# Altium PCB xialeste.PcbDoc (part 7 of 10)
Units mm, origin at the board's own origin, x right, y up, seen from the top; angles counter-clockwise.
Board outline 203.2 x 171.45 mm, 6 copper layers (L1, L2, L3, L4 (PWR), L5, L6), stack 1.542 mm thick; 748 components, 618 nets, 3334 pads, 1535 vias.
Unrouted connection lines stored in the file: 160.
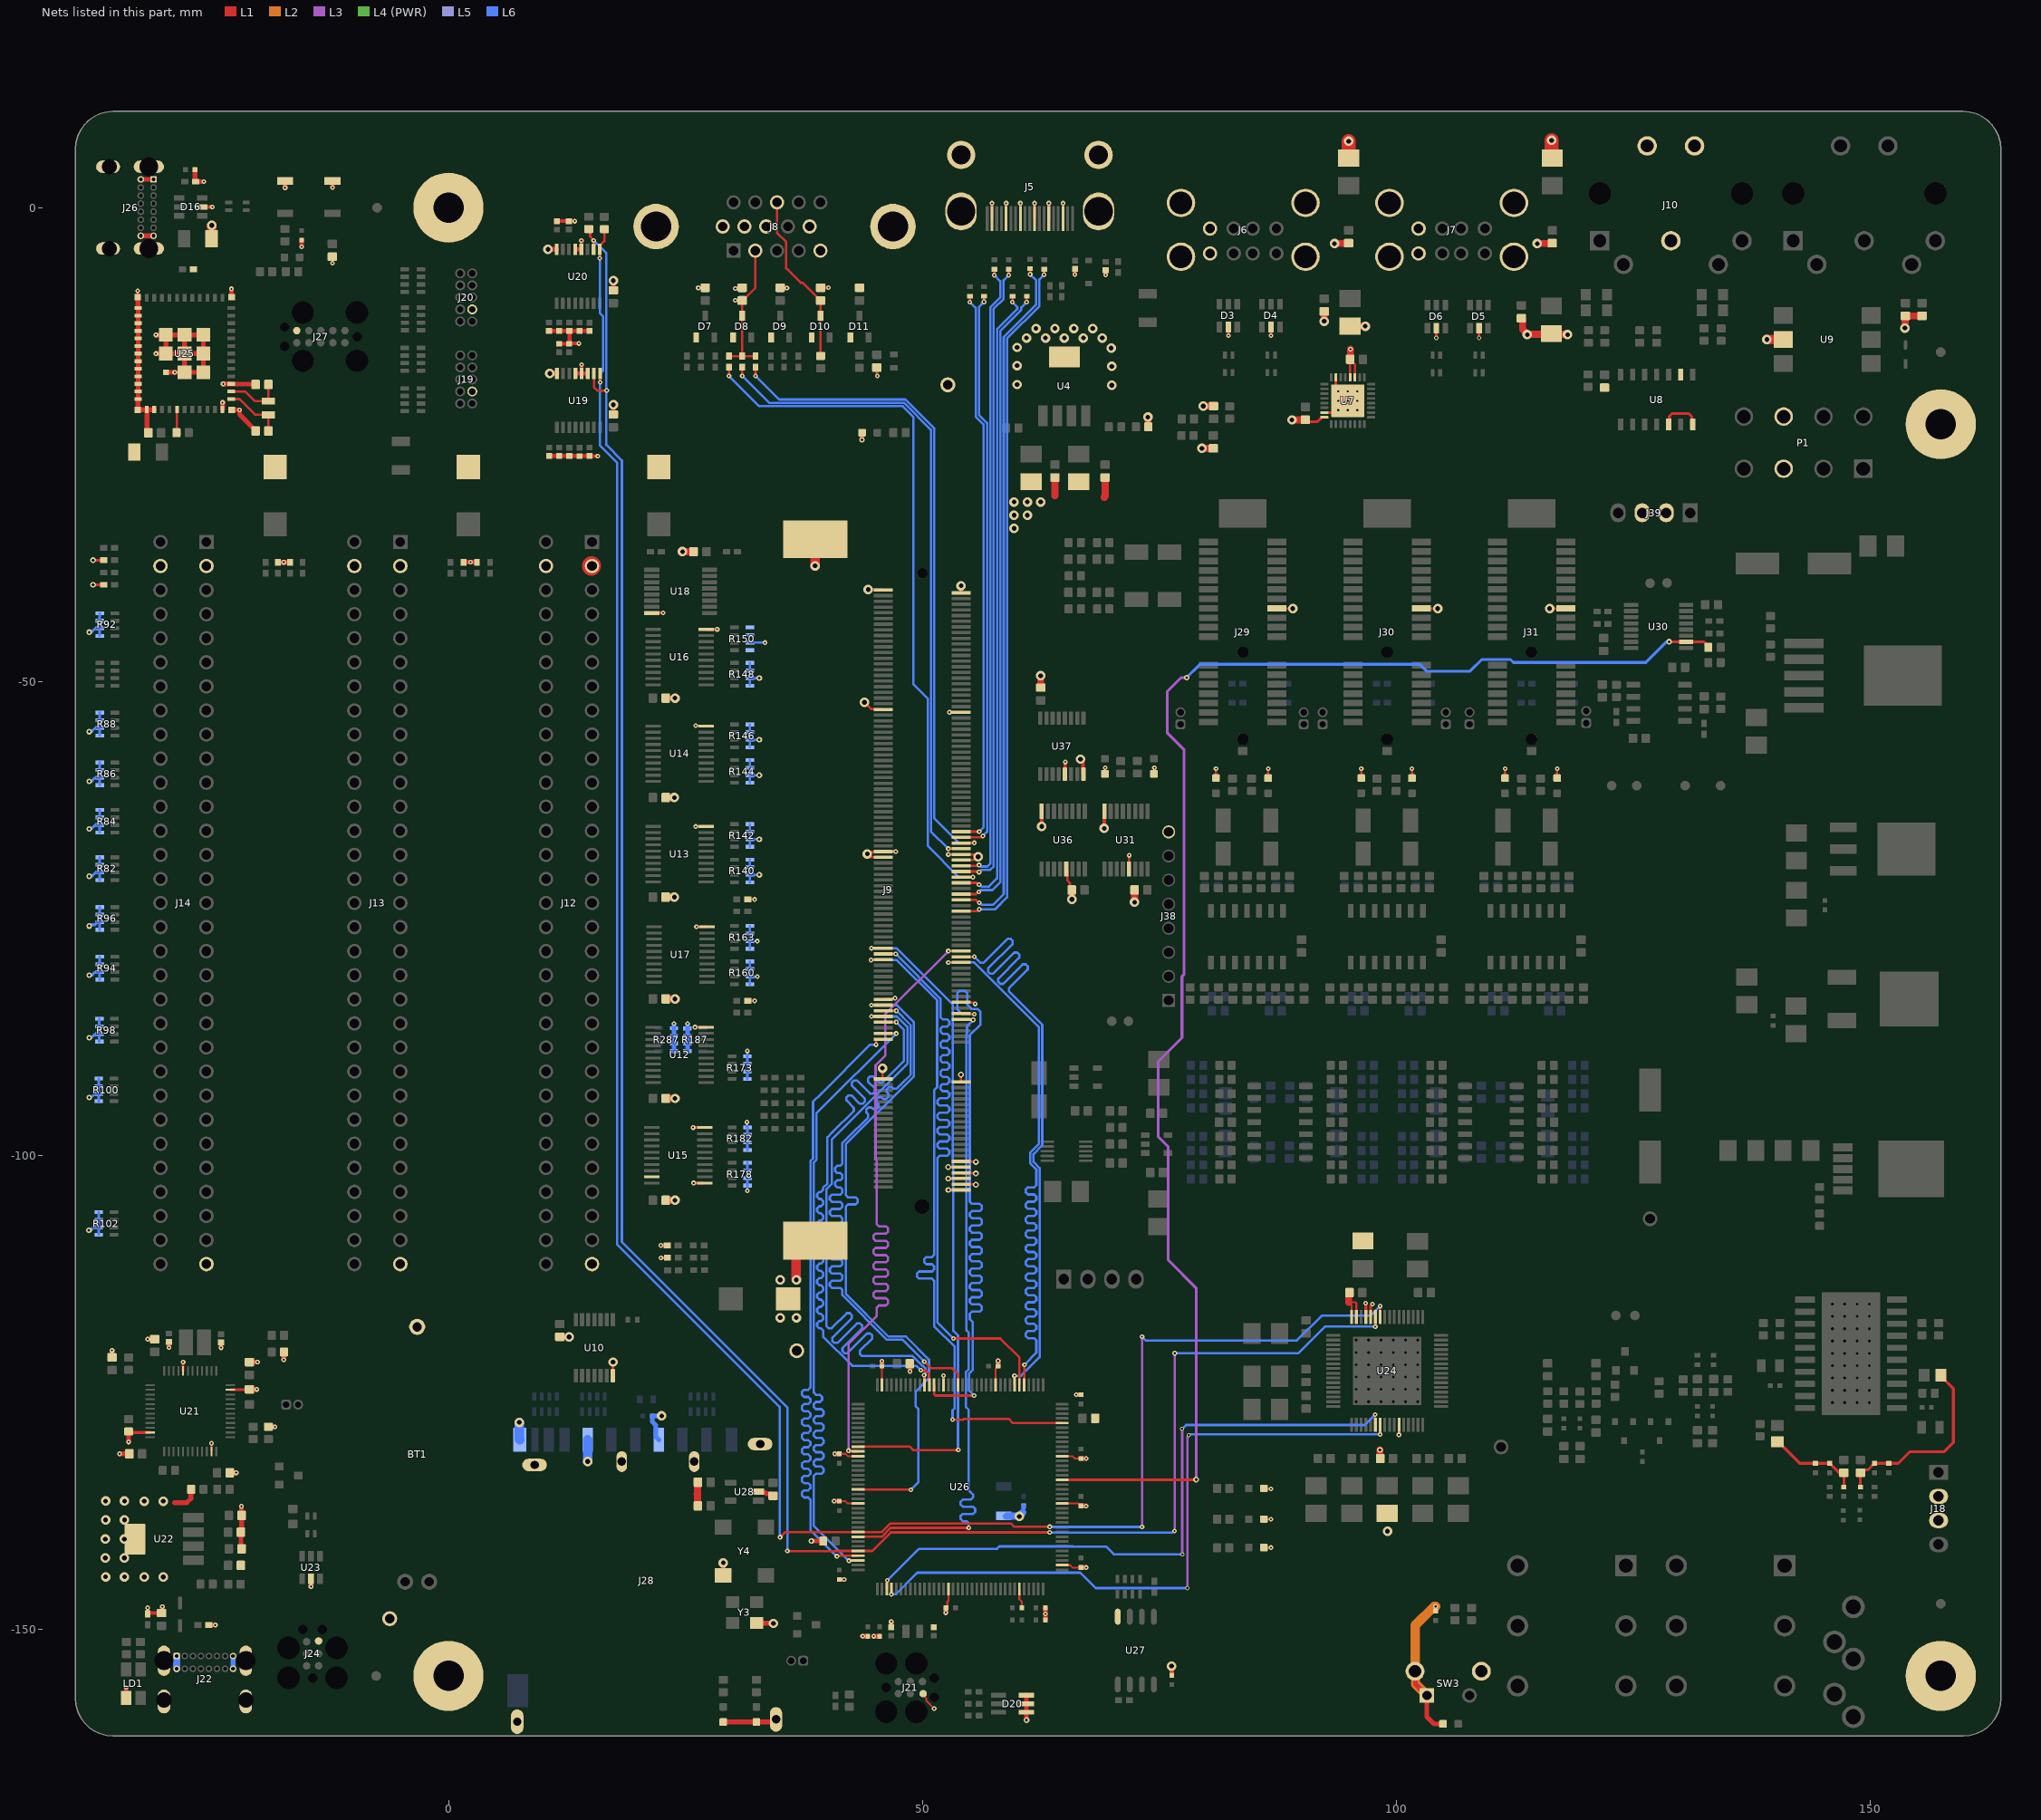
[diagram p11: the nets of this part, all layers, seen from the top]

## Via types
v1: diameter 0.5, hole 0.2, L1 to L6, tented both sides, 977 vias
v2: diameter 1, hole 0.5, L1 to L6, 416 vias
v3: diameter 0.6, hole 0.3, L1 to L6, 96 vias
v4: diameter 0.45, hole 0.25, L1 to L6, 26 vias
v5: diameter 0.5, hole 0.2, L1 to L6, 10 vias
v6: diameter 1, hole 0.5, L1 to L6, tented both sides, 10 vias

## Nets (pads, with @x,y where several pads share a name; then routed paths per layer and width w, separated by ;. In a path a pad name is that pad's centre, name@x,y a point inside that pad or via, vN(x,y) a via of type N, cw(c..) or ccw(c..) an arc to the next point about the centre after c; other vN are vias at no path point) (continued)
FMC_DA12: J9.70 U26.68 | length 71.9
  L1 w0.25: v1(44.6,-79.4) 44.625,-79.375 45.875,-79.375 J9.70@45.9,-79.35 ; v1(53.2,-127.9) 54.3,-127.9 54.4,-127.8 59.1,-127.8 59.55,-128.25 U26.68@64.776,-128.25
  L6 w0.25: v1(44.6,-79.4) 47.34,-79.4 51.575,-83.635 51.575,-92.818 51.251,-93.142 51.251,-109.629 51.251,-110.512 51.023,-110.74 50.432,-110.74 50.204,-110.967 50.204,-111.27 50.432,-111.498 51.023,-111.498 51.251,-111.725 51.251,-112.028 51.023,-112.256 49.67,-112.256 49.443,-112.483 49.443,-112.786 49.67,-113.014 51.023,-113.014 51.251,-113.241 51.251,-116.484 51.251,-118.051 53.413,-120.213 53.413,-126.677 53.2,-126.89 v1(53.2,-127.9)
FMC_DA13: J9.69 U26.77 | length 71.5
  L1 w0.25: v1(52.75,-79.65) J9.69@54.1,-79.65 ; U26.77@60.75,-124.224 60.765,-124.209 v1@60.765,-122.11
  L6 w0.25: v1(52.75,-79.65) 55.47,-79.65 62.313,-86.493 62.313,-98.794 61.392,-99.716 61.392,-100.839 62.041,-101.488 62.041,-102.27 62.041,-103.154 61.813,-103.381 61.146,-103.381 60.919,-103.608 60.919,-103.912 61.146,-104.139 61.813,-104.139 62.041,-104.366 62.041,-104.67 61.813,-104.897 61.146,-104.897 60.919,-105.124 60.919,-105.428 61.146,-105.655 61.813,-105.655 62.041,-105.882 62.041,-106.186 61.813,-106.413 61.146,-106.413 60.919,-106.64 60.919,-106.944 61.146,-107.171 61.813,-107.171 62.041,-107.398 62.041,-107.702 61.813,-107.929 61.146,-107.929 60.919,-108.156 60.919,-108.46 61.146,-108.687 61.813,-108.687 62.041,-108.914 62.041,-109.218 61.813,-109.445 61.146,-109.445 60.919,-109.672 60.919,-109.976 61.146,-110.203 61.813,-110.203 62.041,-110.43 62.041,-110.734 61.813,-110.961 61.146,-110.961 60.919,-111.188 60.919,-111.492 61.146,-111.719 61.813,-111.719 62.041,-111.946 62.041,-112.25 61.813,-112.477 61.146,-112.477 60.919,-112.704 60.919,-113.008 61.146,-113.235 61.813,-113.235 62.041,-113.462 62.041,-113.766 61.813,-113.993 61.146,-113.993 60.919,-114.22 60.919,-114.524 61.146,-114.751 61.813,-114.751 62.041,-114.978 62.041,-115.282 61.813,-115.509 61.146,-115.509 60.919,-115.736 60.919,-116.04 61.146,-116.267 61.813,-116.267 62.041,-116.494 62.041,-116.798 61.813,-117.025 61.146,-117.025 60.919,-117.252 60.919,-117.556 61.146,-117.783 61.813,-117.783 62.041,-118.01 62.041,-118.314 61.813,-118.541 61.146,-118.541 60.919,-118.768 60.919,-119.072 61.146,-119.299 61.813,-119.299 62.041,-119.526 62.041,-120.415 62.041,-120.834 v1(60.782,-122.093)
FMC_DA14: J9.72 U26.78 | length 71.5
  L1 w0.25: J9.72@45.9,-78.75 45.905,-78.745 47.195,-78.745 v1(47.2,-78.74) ; v1(53.29,-119.329) 58.229,-119.329 60.25,-121.35 U26.78@60.25,-124.224
  L6 w0.25: v1(47.2,-78.74) 51.925,-83.465 51.925,-85.303 51.925,-85.428 52.152,-85.656 52.631,-85.656 52.858,-85.883 52.858,-86.186 52.631,-86.414 52.152,-86.414 51.925,-86.641 51.925,-86.944 52.152,-87.172 52.631,-87.172 52.858,-87.399 52.858,-87.702 52.631,-87.93 52.152,-87.93 51.925,-88.157 51.925,-88.46 52.152,-88.688 52.631,-88.688 52.858,-88.915 52.858,-89.218 52.631,-89.446 52.152,-89.446 51.925,-89.673 51.925,-89.976 52.152,-90.204 52.631,-90.204 52.858,-90.431 52.858,-90.734 52.631,-90.962 52.152,-90.962 51.925,-91.189 51.925,-91.492 52.152,-91.72 52.631,-91.72 52.858,-91.947 52.858,-92.25 52.631,-92.478 52.152,-92.478 51.925,-92.705 51.925,-93.008 52.152,-93.236 52.631,-93.236 52.858,-93.463 52.858,-93.766 52.631,-93.994 51.828,-93.994 51.601,-94.221 51.601,-94.524 51.828,-94.752 52.631,-94.752 52.858,-94.979 52.858,-95.282 52.631,-95.51 51.828,-95.51 51.601,-95.737 51.601,-96.04 51.828,-96.268 52.631,-96.268 52.858,-96.495 52.858,-96.798 52.631,-97.026 51.828,-97.026 51.601,-97.253 51.601,-97.556 51.828,-97.784 52.631,-97.784 52.858,-98.011 52.858,-98.314 52.631,-98.542 51.828,-98.542 51.601,-98.769 51.601,-99.072 51.828,-99.3 52.631,-99.3 52.858,-99.527 52.858,-99.83 52.631,-100.058 51.828,-100.058 51.601,-100.285 51.601,-101.453 51.601,-117.64 v1(53.29,-119.329)
FMC_DA15: J9.71 U26.79 | length 72.1
  L1 w0.25: J9.71@54.1,-79.05 v1(55.5,-79.05) ; v1(59.727,-123.269) 59.738,-123.281 59.738,-124.212 U26.79@59.75,-124.224
  L6 w0.25: v1(55.5,-79.05) 56.054,-79.604 56.143,-79.693 56.464,-79.693 58.996,-77.161 59.318,-77.161 59.532,-77.375 59.532,-77.697 56.933,-80.296 56.933,-80.618 57.147,-80.832 57.469,-80.832 59.693,-78.608 60.015,-78.608 60.229,-78.822 60.229,-79.144 58.005,-81.368 58.005,-81.69 58.219,-81.904 58.541,-81.904 60.594,-79.851 60.915,-79.851 61.13,-80.065 61.13,-80.387 59.144,-82.373 59.144,-82.694 61.899,-85.449 61.988,-85.538 62.663,-86.213 62.663,-98.939 61.742,-99.861 61.742,-100.254 61.742,-100.694 62.391,-101.343 62.391,-120.677 62.391,-121.294 60.415,-123.269 v1(59.727,-123.269)
FMC_NBL0: J9.42 U26.141 | length 72.1
  L1 w0.25: v1(40.995,-142.306) 41.036,-142.265 43.209,-142.265 U26.141@43.224,-142.25 ; v1(45.125,-88.329) 45.125,-87.769 45.144,-87.75 J9.42@45.9,-87.75
  L6 w0.25: v1(40.995,-142.306) 40.947,-142.306 38.2,-139.559 38.2,-136.464 38.2,-136.339 37.973,-136.111 37.53,-136.111 37.302,-135.884 37.302,-135.581 37.53,-135.353 37.973,-135.353 38.2,-135.126 38.2,-134.823 37.973,-134.595 37.53,-134.595 37.302,-134.368 37.302,-134.065 37.53,-133.837 37.973,-133.837 38.2,-133.61 38.2,-133.307 37.973,-133.079 37.53,-133.079 37.302,-132.852 37.302,-132.549 37.53,-132.321 37.973,-132.321 38.2,-132.094 38.2,-131.791 37.973,-131.563 37.53,-131.563 37.302,-131.336 37.302,-131.033 37.53,-130.805 37.973,-130.805 38.2,-130.578 38.2,-130.275 37.973,-130.047 37.53,-130.047 37.302,-129.82 37.302,-129.517 37.53,-129.289 37.973,-129.289 38.2,-129.062 38.2,-128.759 37.973,-128.531 37.53,-128.531 37.302,-128.304 37.302,-128.001 37.53,-127.773 37.973,-127.773 38.2,-127.546 38.2,-127.243 37.973,-127.015 37.53,-127.015 37.302,-126.788 37.302,-126.485 37.53,-126.257 37.973,-126.257 38.2,-126.03 38.2,-125.727 37.973,-125.499 37.53,-125.499 37.302,-125.272 37.302,-124.969 37.53,-124.741 37.973,-124.741 38.2,-124.514 38.2,-121.739 38.2,-100.614 38.475,-100.339 38.475,-94.353 39.325,-93.503 44.499,-88.329 v1(45.125,-88.329)
FMC_NBL1: J9.44 U26.142 | length 72.3
  L1 w0.25: v1(42.265,-142.786) 42.286,-142.765 43.3,-142.765 U26.142@43.315,-142.75 ; J9.44@45.9,-87.15 v1(47.25,-87.15)
  L6 w0.25: v1(42.265,-142.786) 42.23,-142.786 38.55,-139.106 38.55,-134.72 38.55,-133.837 38.777,-133.609 39.369,-133.609 39.597,-133.382 39.597,-133.079 39.369,-132.851 38.777,-132.851 38.55,-132.624 38.55,-132.321 38.777,-132.093 39.369,-132.093 39.597,-131.866 39.597,-131.563 39.369,-131.335 38.777,-131.335 38.55,-131.108 38.55,-130.805 38.777,-130.577 39.369,-130.577 39.597,-130.35 39.597,-130.047 39.369,-129.819 38.777,-129.819 38.55,-129.592 38.55,-129.289 38.777,-129.061 39.369,-129.061 39.597,-128.834 39.597,-128.531 39.369,-128.303 38.777,-128.303 38.55,-128.076 38.55,-127.773 38.777,-127.545 39.369,-127.545 39.597,-127.318 39.597,-127.015 39.369,-126.787 38.777,-126.787 38.55,-126.56 38.55,-126.257 38.777,-126.029 39.207,-126.029 39.435,-125.802 39.435,-125.499 39.207,-125.271 38.777,-125.271 38.55,-125.044 38.55,-121.727 38.55,-100.759 38.825,-100.484 38.825,-95.575 v1(47.25,-87.15)
FMC_NE1: J9.48 U26.97 | length 69.2
  L1 w0.25: J9.48@45.9,-85.95 v1(47.25,-85.95) ; v1(49.861,-122.689) 49.897,-122.725 50.397,-122.725 50.75,-123.078 U26.97@50.75,-124.224
  L6 w0.25: v1(47.25,-85.95) 48.075,-86.775 48.075,-90.028 46.244,-91.859 45.782,-92.321 45.46,-92.321 44.816,-91.677 44.495,-91.677 44.28,-91.891 44.28,-92.213 45.016,-92.949 45.016,-93.27 44.802,-93.485 44.48,-93.485 43.106,-92.111 42.784,-92.111 42.57,-92.325 42.57,-92.647 43.944,-94.021 43.944,-94.342 43.73,-94.557 43.408,-94.557 42.529,-93.677 42.207,-93.677 41.993,-93.891 41.993,-94.213 42.78,-95.001 42.78,-95.322 40.548,-97.555 39.997,-98.105 39.997,-102.979 39.542,-103.435 39.542,-103.484 39.542,-103.63 39.315,-103.858 39.127,-103.858 38.9,-104.085 38.9,-104.388 39.127,-104.616 39.315,-104.616 39.542,-104.843 39.542,-105.146 39.315,-105.374 39.127,-105.374 38.9,-105.601 38.9,-105.904 39.127,-106.132 39.315,-106.132 39.542,-106.359 39.542,-106.662 39.315,-106.89 39.127,-106.89 38.9,-107.117 38.9,-107.42 39.127,-107.648 39.315,-107.648 39.542,-107.875 39.542,-108.178 39.315,-108.406 39.127,-108.406 38.9,-108.633 38.9,-108.936 39.127,-109.164 39.315,-109.164 39.542,-109.391 39.542,-109.694 39.315,-109.922 39.127,-109.922 38.9,-110.149 38.9,-110.452 39.127,-110.68 39.315,-110.68 39.542,-110.907 39.542,-111.21 39.315,-111.438 39.127,-111.438 38.9,-111.665 38.9,-111.968 39.127,-112.196 39.315,-112.196 39.542,-112.423 39.542,-112.726 39.315,-112.954 39.127,-112.954 38.9,-113.181 38.9,-113.484 39.127,-113.712 39.315,-113.712 39.542,-113.939 39.542,-114.242 39.315,-114.47 39.127,-114.47 38.9,-114.697 38.9,-115 39.127,-115.228 39.315,-115.228 39.542,-115.455 39.542,-115.758 39.315,-115.986 39.127,-115.986 38.9,-116.213 38.9,-116.516 39.127,-116.744 39.315,-116.744 39.542,-116.971 39.542,-117.274 39.315,-117.502 39.127,-117.502 38.9,-117.729 38.9,-118.032 39.127,-118.26 39.315,-118.26 39.542,-118.487 39.542,-118.612 39.542,-119.119 42.633,-122.21 49.381,-122.21 v1(49.861,-122.689)
FMC_NE2: J9.50 U26.98 | length 71.4
  L1 w0.25: v1(44.65,-85.35) J9.50@45.9,-85.35 ; v1(50.2,-123.2) 50.235,-123.235 50.235,-124.209 U26.98@50.25,-124.224
  L6 w0.25: v1(44.65,-85.35) 47.322,-85.35 48.425,-86.453 48.425,-90.357 40.45,-98.332 40.45,-103.022 39.892,-103.58 39.892,-117.33 39.892,-118.029 40.12,-118.256 40.441,-118.256 42.036,-116.662 42.357,-116.662 42.572,-116.876 42.572,-117.198 40.505,-119.265 40.505,-119.586 40.719,-119.801 41.041,-119.801 43.108,-117.734 43.429,-117.734 43.644,-117.948 43.644,-118.27 41.577,-120.337 41.577,-120.658 41.791,-120.873 42.113,-120.873 44.18,-118.805 44.501,-118.805 44.716,-119.02 44.716,-119.341 43.415,-120.642 43.415,-120.963 43.643,-121.191 44.115,-121.191 48.968,-121.191 50.018,-122.241 50.084,-122.241 50.336,-122.493 50.336,-123.01 50.2,-123.146 v1(50.2,-123.2)
FMC_NE3: J9.52 U26.91 | length 71.3
  L1 w0.25: J9.52@45.9,-84.75 v1(47.25,-84.75) ; v1(50.215,-121.766) 50.928,-122.479 53.151,-122.479 53.75,-123.078 U26.91@53.75,-124.224
  L6 w0.25: v1(47.25,-84.75) 48.775,-86.275 48.775,-91.498 47.757,-92.515 47.284,-92.989 46.962,-92.989 46.786,-92.813 46.464,-92.813 46.25,-93.027 46.25,-93.349 46.426,-93.525 46.426,-93.846 46.212,-94.061 45.89,-94.061 45.714,-93.885 45.392,-93.885 45.178,-94.099 45.178,-94.421 45.354,-94.597 45.354,-94.918 45.14,-95.133 44.818,-95.133 44.642,-94.957 44.32,-94.957 44.106,-95.171 44.106,-95.492 44.282,-95.669 44.282,-95.99 42.05,-98.223 41.575,-98.697 41.575,-99.936 41.575,-100.887 41.348,-101.114 41.027,-101.114 40.8,-101.341 40.8,-101.645 41.027,-101.872 41.348,-101.872 41.575,-102.099 41.575,-102.403 41.348,-102.63 41.027,-102.63 40.8,-102.857 40.8,-103.161 41.027,-103.388 41.348,-103.388 41.575,-103.615 41.575,-103.919 41.348,-104.146 40.47,-104.146 40.242,-104.373 40.242,-104.677 40.47,-104.904 41.348,-104.904 41.575,-105.131 41.575,-105.435 41.348,-105.662 40.47,-105.662 40.242,-105.889 40.242,-106.193 40.47,-106.42 41.348,-106.42 41.575,-106.647 41.575,-106.951 41.348,-107.178 40.47,-107.178 40.242,-107.405 40.242,-107.709 40.47,-107.936 41.348,-107.936 41.575,-108.163 41.575,-108.467 41.348,-108.694 40.47,-108.694 40.242,-108.921 40.242,-109.225 40.47,-109.452 41.348,-109.452 41.575,-109.679 41.575,-109.983 41.348,-110.21 40.47,-110.21 40.242,-110.437 40.242,-110.741 40.47,-110.968 41.348,-110.968 41.575,-111.195 41.575,-111.499 41.348,-111.726 40.47,-111.726 40.242,-111.953 40.242,-112.257 40.47,-112.484 41.348,-112.484 41.575,-112.711 41.575,-113.015 41.348,-113.242 40.47,-113.242 40.242,-113.469 40.242,-113.773 40.47,-114 41.348,-114 41.575,-114.227 41.575,-114.352 41.575,-114.757 46.286,-119.468 47.917,-119.468 v1(50.215,-121.766)
FMC_NE4: J9.54 U26.127 | length 72.1
  L1 w0.25: U26.127@43.224,-135.25 43.239,-135.265 48.765,-135.265 v1(48.8,-135.3) ; v1(44.65,-84.15) J9.54@45.9,-84.15
  L6 w0.25: v1(44.65,-84.15) 47.322,-84.15 49.125,-85.953 49.125,-91.642 41.925,-98.842 41.925,-99.609 41.925,-104.201 42.152,-104.428 42.97,-104.428 43.198,-104.656 43.198,-104.959 42.97,-105.186 42.152,-105.186 41.925,-105.414 41.925,-106.297 41.925,-114.612 46.431,-119.118 48.27,-119.118 50.713,-121.561 50.713,-123.511 49.304,-124.919 49.304,-126.484 49.575,-126.755 49.575,-134.525 v1(48.8,-135.3)
FMC_NL: J9.49 U26.137 | length 72
  L1 w0.25: U26.137@43.215,-140.25 45.737,-140.25 46.669,-139.318 v1(54.9,-139.318) ; J9.49@54.1,-85.65 54.131,-85.681 55.344,-85.681 v1(55.375,-85.711)
  L6 w0.25: v1(54.9,-139.318) 54.9,-138.954 54.9,-138.829 54.673,-138.602 54.264,-138.602 54.036,-138.375 54.036,-138.071 54.264,-137.844 55.353,-137.844 55.581,-137.617 55.581,-137.313 55.353,-137.086 54.273,-137.086 54.046,-136.859 54.046,-136.555 54.273,-136.328 55.127,-136.328 55.355,-136.101 55.355,-135.797 55.127,-135.57 54.9,-135.343 54.9,-132.127 54.9,-126.861 54.602,-126.563 54.602,-122.87 54.9,-122.572 54.9,-118.7 54.668,-118.468 54.668,-87.18 54.725,-87.123 54.725,-86.361 v1(55.375,-85.711)
FMC_NOE: J9.74 U26.118 | length 70.3
  L1 w0.25: U26.118@43.224,-130.75 48.684,-130.75 49.034,-131.1 v1(53.8,-131.1) ; v1(44.65,-78.15) J9.74@45.9,-78.15
  L6 w0.25: v1(44.65,-78.15) 47.282,-78.15 53.208,-84.076 53.208,-100.97 53.275,-101.037 53.275,-118.524 53.765,-119.013 53.765,-131.065 v1(53.8,-131.1)
FMC_NWAIT: J9.51 U26.96 | length 71.9
  L1 w0.25: U26.96@51.25,-124.224 51.25,-125.208 51.396,-125.354 v1(55.468,-125.354) ; J9.51@54.1,-85.05 54.125,-85.075 55.375,-85.075 v1@55.4,-85.1
  L6 w0.25: v1(55.468,-125.354) 54.952,-124.838 54.952,-123.015 55.332,-122.635 55.332,-117.605 55.018,-117.291 55.018,-116.722 55.245,-116.495 56.058,-116.495 56.285,-116.267 56.285,-115.964 56.058,-115.737 55.245,-115.737 55.018,-115.509 55.018,-115.206 55.245,-114.979 56.058,-114.979 56.285,-114.751 56.285,-114.448 56.058,-114.221 55.245,-114.221 55.018,-113.993 55.018,-113.69 55.245,-113.463 56.058,-113.463 56.285,-113.235 56.285,-112.932 56.058,-112.705 55.245,-112.705 55.018,-112.477 55.018,-112.174 55.245,-111.947 56.058,-111.947 56.285,-111.719 56.285,-111.416 56.058,-111.189 55.245,-111.189 55.018,-110.961 55.018,-110.658 55.245,-110.431 56.058,-110.431 56.285,-110.203 56.285,-109.9 56.058,-109.673 55.245,-109.673 55.018,-109.445 55.018,-109.142 55.245,-108.915 56.058,-108.915 56.285,-108.687 56.285,-108.384 56.058,-108.157 55.245,-108.157 55.018,-107.929 55.018,-107.626 55.245,-107.399 56.058,-107.399 56.285,-107.171 56.285,-106.868 56.058,-106.641 55.245,-106.641 55.018,-106.413 55.018,-106.11 55.245,-105.883 56.058,-105.883 56.285,-105.655 56.285,-105.352 56.058,-105.125 55.245,-105.125 55.018,-104.897 55.018,-101.872 55.018,-87.325 56.14,-86.203 56.14,-84.867 55.817,-84.545 55.193,-84.545 54.763,-84.115 54.763,-82.931 54.473,-82.641 53.967,-82.641 53.688,-82.921 53.688,-84.577 54.211,-85.1 v1(55.5,-85.1)
FMC_NWE: J9.73 U26.119 | length 74.3
  L1 w0.25: v1(42.22,-131.171) 42.274,-131.171 42.338,-131.235 43.209,-131.235 U26.119@43.224,-131.25 ; v1(52.75,-78.45) J9.73@54.1,-78.45
  L3 w0.25: v1@42.251,-131.11 42.22,-131.079 42.22,-119.93 45.2,-116.949 45.2,-116.066 45.427,-115.839 46.167,-115.839 46.394,-115.612 46.394,-115.308 46.167,-115.081 45.066,-115.081 44.839,-114.854 44.839,-114.55 45.066,-114.323 46.167,-114.323 46.394,-114.096 46.394,-113.792 46.167,-113.565 45.066,-113.565 44.839,-113.338 44.839,-113.034 45.066,-112.807 46.167,-112.807 46.394,-112.58 46.394,-112.276 46.167,-112.049 45.066,-112.049 44.839,-111.822 44.839,-111.518 45.066,-111.291 46.167,-111.291 46.394,-111.064 46.394,-110.76 46.167,-110.533 45.066,-110.533 44.839,-110.306 44.839,-110.002 45.066,-109.775 46.167,-109.775 46.394,-109.548 46.394,-109.244 46.167,-109.017 45.066,-109.017 44.839,-108.79 44.839,-108.486 45.066,-108.259 46.167,-108.259 46.394,-108.032 46.394,-107.728 46.167,-107.501 45.427,-107.501 45.2,-107.274 45.2,-100.479 45.075,-100.354 45.075,-90.5 46.089,-89.486 46.089,-85.111 v1(52.75,-78.45)
G1: J9.99 R58.2 | length 75.5
  L1 w0.25: v1(29.6,-17.75) R58.2@29.6,-16.825 ; J9.99@54.1,-70.65 54.101,-70.651 55.346,-70.651 v1(55.347,-70.653)
  L6 w0.25: v1(29.6,-17.75) 32.8,-20.95 47.935,-20.95 49.075,-22.09 49.075,-50.302 50.575,-51.802 50.575,-67.347 53.881,-70.653 v1(55.347,-70.653)
G2: J9.109 R60.1 | length 69.5
  L1 w0.25: v1(31,-17.75) R60.1@31,-16.825 ; v1(52.75,-67.65) J9.109@54.1,-67.65
  L6 w0.25: v1(31,-17.75) 33.85,-20.6 48.08,-20.6 50.925,-23.445 50.925,-65.825 v1(52.75,-67.65)
G3: J9.111 R62.1 | length 69.9
  L1 w0.25: v1(32.4,-17.75) R62.1@32.4,-16.825 ; J9.111@54.1,-67.05 54.112,-67.038 55.487,-67.038 v1(55.5,-67.025)
  L6 w0.25: v1(32.4,-17.75) 34.9,-20.25 48.225,-20.25 51.275,-23.3 51.275,-64.447 53.853,-67.025 v1(55.5,-67.025)
GND: BT1.1 C21.2 C22.1 C23.2 C24.1 C31.1 C32.1 C33.1 C34.1 C35.2 C36.1 C37.2 C38.1 C39.1 C40.1 C41.1 C42.2 C43.2 C44.1 C45.1 C46.1 C47.1 C48.1 C49.1 C50.1 C51.2 C58.2 C59.2 C60.1 C61.2 C62.2 C63.2 C64.2 C86.2 C87.2 C88.2 C89.2 C90.2 C91.2 C92.2 C93.1 C94.1 C95.1 C96.1 C97.1 C98.1 C99.1 C100.1 C101.1 C102.1 C103.1 C104.1 C105.1 C106.1 C107.1 C108.1 C109.2 C110.2 C111.2 C112.1 C113.1 C114.1 C115.2 C116.1 C117.1 C118.1 C119.1 C120.1 C133.2 C134.2 C135.2 C136.2 C141.2 C142.1 C143.1 C144.1 C145.1 C146.2 C147.1 C148.2 C149.1 C150.1 C151.1 C152.2 C153.2 C154.2 C155.2 C156.2 C157.2 C158.2 C159.1 C160.1 C161.1 C162.2 C163.2 C164.2 C165.2 C166.2 C167.2 C168.2 C169.2 C170.2 C171.2 C172.2 C173.2 C174.2 C175.2 C184.2 C208.1 C209.2 D1.1 D3.2 D4.2 D5.2 D6.2 D7.1 D8.1 D9.1 D10.1 D11.1 D13.1 D16.2 D20.1 D20.2 D20.3 D21.1 D22.1 D23.1 D24.1 D25.1 D26.1 D27.1 D28.1 D29.1 D30.1 D31.1 D32.1 D33.1 J3.1 J4.1 J5.2 J5.5 J5.8 J5.11 J5.14 J5.17 J5.MTG1 J5.MTG2 J5.MTG3 J5.MTG4 J6.4 J6.8 J6.9 J6.10 J6.11 J6.12 J7.4 J7.8 J7.9 J7.10 J7.11 J7.12 J8.5 J8.6 J8.7 J8.8 J8.10 J8.M1 J8.M2 J9.1 J9.3 J9.5 J9.7 J9.9 J9.11 J9.39 J9.40 J9.55 J9.56 J9.105 J9.106 J9.107 J9.108 J9.157 J9.158 J9.199 J9.200 J9.SH1 J9.SH2 J10.2 J10.6 J10.7 J12.3 J12.4 J12.61 J13.3 J13.4 J13.61 J14.3 J14.4 J14.61 J18.2 J18.3 J19.8 J20.8 J21.5 J22.1 J22.2 J22.3 J22.4 J22.A1 J22.A12 J22.B1 J22.B12 J23.1 J24.5 J26.1 J26.2 J26.3 J26.4 J26.A1 J26.A12 J26.B1 J26.B12 J27.5 J28.3 J28.6 J28.11 J28.S1 J28.S2 J28.S3 J28.S4 J28.S5 J28.S6 J29.A8 J30.A8 J31.A8 J38.08 J39.2 J39.3 JP1.1 LD1.1 MH1.1 MH2.1 MH3.1 MH4.1 P1.3 P1.7 R40.2 R63.1 R64.1 R65.1 R82.1 R82.2 R82.3 R82.4 R84.1 R84.2 R84.3 R84.4 R86.1 R86.2 R86.3 R86.4 R88.1 R88.2 R88.3 R88.4 R92.1 R92.2 R92.3 R92.4 R94.1 R94.2 R94.3 R94.4 R96.1 R96.2 R96.3 R96.4 R98.1 R98.2 R98.3 R98.4 R100.1 R100.2 R100.3 R100.4 R102.1 R102.2 R102.3 R102.4 R105.2 R107.2 R109.2 R111.2 R113.2 R115.2 R140.1 R140.2 R140.3 R140.4 R142.1 R142.2 R142.3 R142.4 R144.1 R144.2 R144.3 R144.4 R146.1 R146.2 R146.3 R146.4 R148.1 R148.2 R148.3 R148.4 R150.1 R150.2 R150.3 R150.4 R151.2 R160.1 R160.2 R160.3 R160.4 R163.1 R163.2 R163.3 R163.4 R168.2 R173.1 R173.2 R173.3 R173.4 R175.2 R176.2 R178.1 R178.2 R178.3 R178.4 R182.1 R182.2 R182.3 R182.4 R187.5 R187.6 R187.7 R187.8 R190.1 R191.1 R195.1 R198.2 R199.1 R200.1 R203.2 R208.1 R209.1 R287.5 R287.6 R287.7 R287.8 R292.1 SW1.1 SW2.1 SW3.1 SW3.3 SW3.4 U4.5 U7.7 U7.8 U7.27 U7.28 U7.31 U7.33 U8.5 U8.7 U8.9 U9.5 U10.7 U12.10 U13.10 U14.10 U15.1 U15.10 U15.19 U16.10 U17.10 U18.8 U19.3 U19.4 U19.5 U19.8 U20.4 U20.5 U20.8 U21.8 U21.23 U21.35 U21.47 U22.5 U23.2 U24.11 U24.44 U24.45 U24.47 U24.48 U25.1 U25.2 U25.11 U25.14 U25.36 U25.37 U25.38 U25.39 U25.40 U25.41 U25.42 U25.43 U25.44 U25.45 U25.46 U25.47 U25.48 U25.49_1 U25.49_2 U25.49_3 U25.49_4 U25.49_5 U25.49_6 U25.49_7 U25.49_8 U25.49_9 U25.50 U25.51 U25.52 U25.53 U26.16 U26.31 U26.38 U26.51 U26.61 U26.83 U26.94 U26.107 U26.120 U26.130 U27.4 U28.2 U31.8 U31.13 U36.8 U36.13 U37.5 U37.8 Y3.2 Y4.2 | length 432.2